# Altium PCB pcb.PcbDoc (part 2 of 4)
Units mm, origin at the board's own origin, x right, y up, seen from the top; angles counter-clockwise.
Board outline 92 x 92 mm, 4 copper layers (L1, L2, L3, L4), stack 1.534 mm thick; 214 components, 261 nets, 929 pads, 637 vias.
Unrouted connection lines stored in the file: 79.
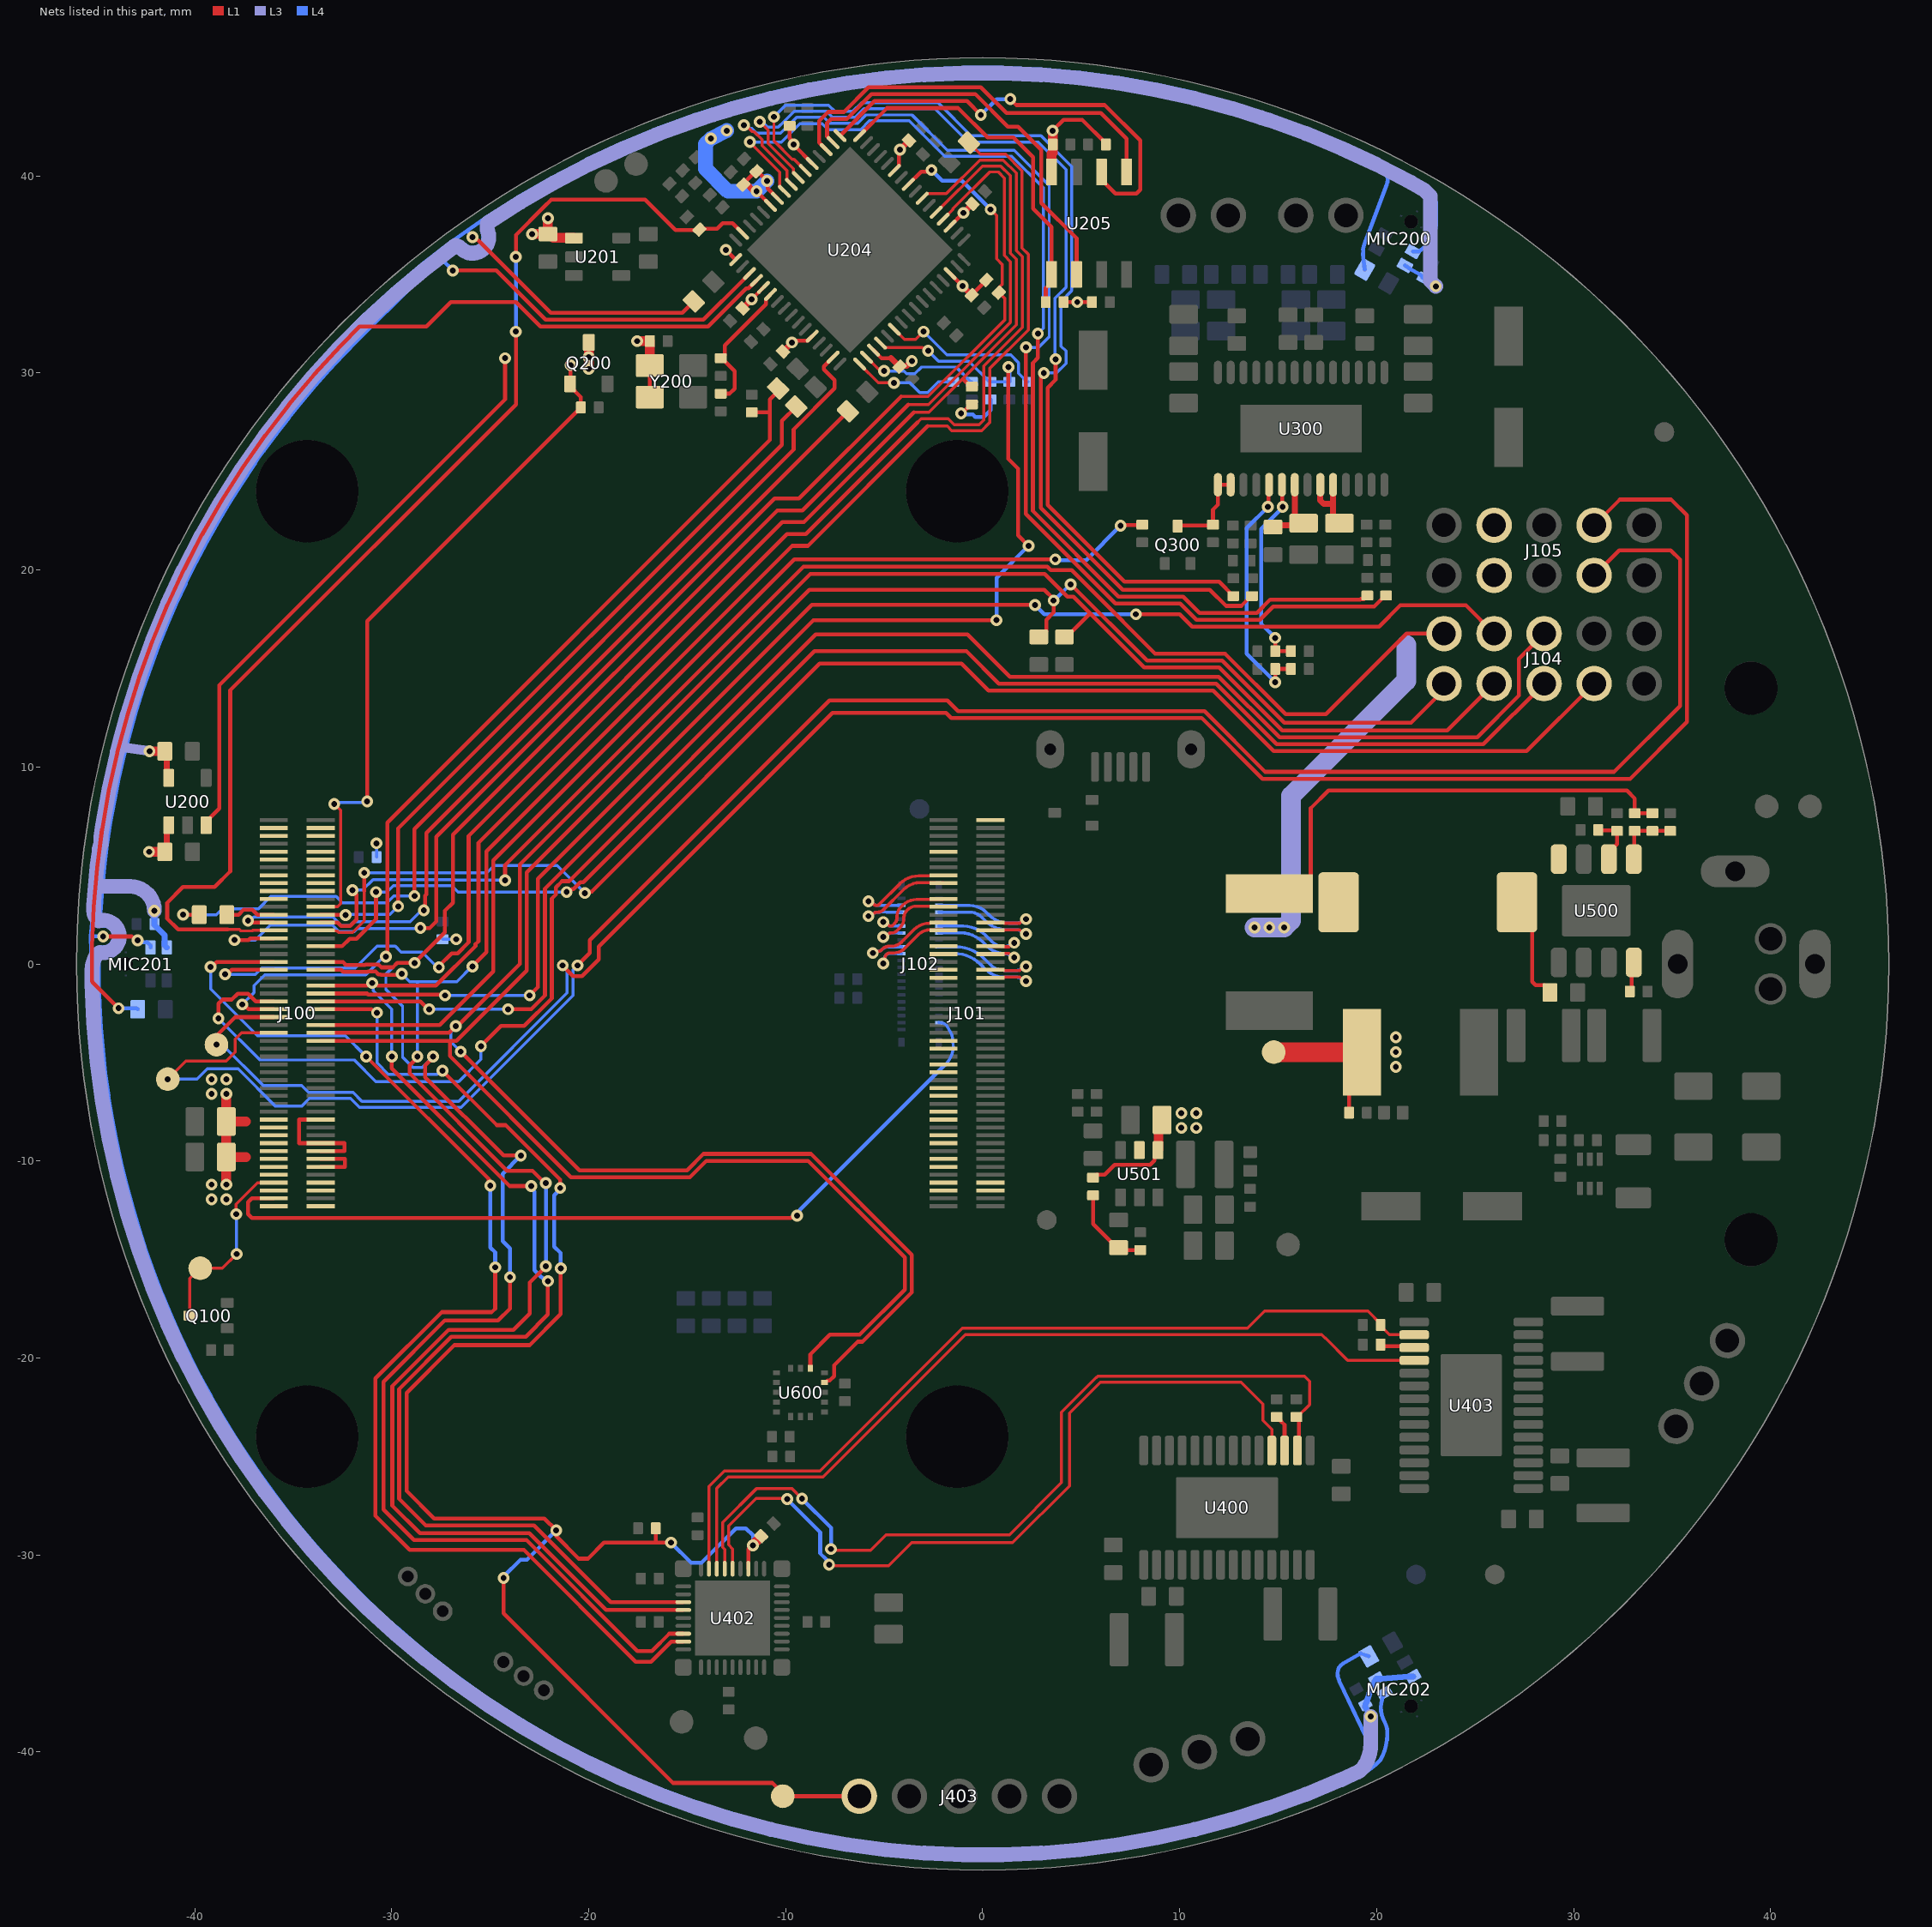
[diagram p4: the nets of this part, all layers, seen from the top]

## Via types
v1: diameter 0.6, hole 0.3, L1 to L4, tented both sides, 634 vias
v2: diameter 0.6/0.6/0.6/0.6 (per signal layer), hole 0.3, L1 to L4, tented both sides, 3 vias

## Nets (pads, with @x,y where several pads share a name; then routed paths per layer and width w, separated by ;. In a path a pad name is that pad's centre, name@x,y a point inside that pad or via, vN(x,y) a via of type N, cw(c..) or ccw(c..) an arc to the next point about the centre after c; other vN are vias at no path point) (continued)
"3.3V MIC": C204.2 C220.2 C221.2 C225.2 C228.2 C229.2 MIC200.5 MIC201.5 MIC202.2 MIC202.5 U200.5 U204.10 U204.11 | length 222.4
  L1 w0.2: C221.2@-12.157,39.557 C221.2@-12.121,39.592 ; C221.2@-12.076,39.688 -11.533,40.232 C220.2@-11.482,40.232 -11.459,40.255 v1(-10.954,39.75) -10.917,39.713 -10.917,39.36 U204.10@-10.423,38.866 ; v1(-11.484,39.22) -11.06,38.796 U204.11@-10.777,38.513
  L1 w0.3: C204.2@-41.523,10.794 -41.423,10.694 -41.423,9.544 U200.5@-41.323,9.444 ; C221.2@-12.121,39.592 -11.98,39.592 -11.665,39.277 -11.541,39.277 v1(-11.484,39.22)
  L1 w0.5: v1(-42.3,10.8) -42.297,10.797 -41.526,10.797 C204.2@-41.523,10.794 C204.2@-41.512,10.805
  L3 w0.5: -43.853,11.024 v1(-42.3,10.8)
  L3 w0.75: v1(-42.05,2.7) ccw(c-43.284,2.7) -43.284,3.934 -45.054,3.934 ; v1(19.7,-38.2) 19.7,-39.613 cw(c17.686,-39.613) 19.327,-40.78 cw(c18.716,-40.345) 19.031,-41.026 18.232,-41.399 cw(c17.916,-40.718) 18.205,-41.41 16.409,-42.154 cw(c16.123,-41.461) 16.38,-42.166 14.541,-42.835 12.658,-43.429 10.768,-43.935 10.752,-43.939 8.825,-44.367 6.881,-44.709 4.925,-44.967 2.959,-45.139 0.987,-45.225 -0.987,-45.225 -2.959,-45.139 -4.925,-44.967 -6.865,-44.711 -6.881,-44.709 -8.825,-44.367 -10.752,-43.939 -12.658,-43.429 -14.541,-42.835 -16.395,-42.16 -18.219,-41.405 -19.992,-40.578 -20.007,-40.571 -21.758,-39.659 -23.467,-38.673 -25.132,-37.612 -26.748,-36.48 -28.314,-35.279 -29.826,-34.01 -31.281,-32.677 -32.677,-31.281 -34.01,-29.826 -35.279,-28.314 -36.47,-26.761 -36.48,-26.748 -37.612,-25.132 -38.673,-23.467 -39.659,-21.758 -40.571,-20.007 -41.405,-18.219 -42.16,-16.395 -42.835,-14.541 -43.429,-12.658 -43.939,-10.752 -44.363,-8.841 -44.367,-8.825 -44.709,-6.881 -44.967,-4.925 -45.139,-2.959 -45.225,-0.987 -45.225,-0.326 cw(c-43.774,-0.326) -45.101,0.26 cw(c-44.416,-0.043) -44.824,0.586 ccw(c-44.656,1.394) -43.935,1.795 ccw(c-44.656,1.394) -44.881,2.187 cw(c-44.39,2.754) -45.139,2.718 -45.139,2.959 -45.054,3.934 ; v1(23,34.4) 22.945,34.455 22.725,34.675 22.725,38.979 22.436,39.268 21.758,39.659 21.743,39.667 20.007,40.571 18.219,41.405 16.41,42.154 16.395,42.16 14.541,42.835 14.14,42.961 12.658,43.429 10.752,43.939 8.825,44.367 6.882,44.709 6.865,44.711 4.925,44.967 2.959,45.139 1.005,45.224 ccw(c0.97,44.475) 1.001,45.224 0.987,45.225 -0.987,45.225 -2.959,45.139 -4.925,44.967 -6.865,44.711 -6.881,44.709 -7.588,44.585 -8.809,44.369 -8.825,44.367 -10.752,43.939 -12.658,43.429 -12.886,43.357 -13.7,43.1 -14.54,42.835 -14.556,42.83 -16.395,42.16 -18.219,41.405 -20.007,40.571 -21.758,39.659 -23.453,38.681 -23.467,38.673 -25.132,37.612 ccw(c-24.41,37.409) -25.12,37.168 cw(c-25.9,36.9) -26.478,36.311 ccw(c-27.001,35.774) -26.748,36.48 -28.314,35.279 -29.826,34.01 -31.281,32.677 -32.677,31.281 -34.01,29.826 -35.279,28.314 -36.48,26.748 -37.612,25.132 -38.673,23.467 -39.659,21.758 -39.667,21.743 -40.571,20.007 -41.398,18.233 -41.405,18.219 -42.16,16.395 -42.835,14.541 -43.424,12.674 -43.429,12.658 -43.793,11.298 -43.866,11.027 -43.935,10.768 -43.939,10.752 -44.367,8.825 -44.709,6.881 -44.769,6.429 -44.769,6.069 ccw(c-44.106,5.718) -44.849,5.818 -44.965,4.939 ccw(c-44.221,4.843) -44.968,4.91 -45.054,3.934
  L4 w0.2: MIC200.5@21.435,35.459 21.652,35.309 22.237,34.971 C225.2@22.375,34.81 22.527,34.673 v1(23,34.4)
  L4 w0.3: v1(-42.05,2.7) C228.2@-42.05,2.025 -42.05,1.975 -41.537,1.462 -41.537,0.948 MIC201.5@-41.426,0.837 ; v1(19.7,-38.2) 19.417,-37.71 C229.2@19.425,-37.59 19.505,-37.428 19.641,-37.003 19.674,-36.835 19.86,-36.497 MIC202.5@19.988,-36.294 20.228,-36.284 21.609,-36.179 MIC202.2@21.849,-36.169
  L4 w0.75: v1(-13,42.3) v1(-13.8,41.9) -14.077,41.623 -14.077,40.363 -12.934,39.22 v1(-11.484,39.22) v1(-10.954,39.75)
3.3V_DSP: C205.2 C208.2 C209.2 C210.2 C213.2 C214.2 C215.2 C216.2 C226.2 C230.2 Q200.3 R205.2 R206.2 R215.2 R218.2 R219.2 R220.2 U200.3 U201.1 U204.5 U204.17 U204.21 U204.28 U204.35 U204.46 U204.51 U204.59 U205.8 Y200.1 Y200.4 | length 62.8
  L1 w0.2: U200.3@-39.423,7.044 -39.423,7.219 -38.75,7.892 -38.75,14.15 -24.25,28.65 v1(-24.25,30.75) ; Y200.4@-17.027,30.374 -16.902,30.249 Y200.1@-16.902,28.774 ; v1(-13.04,36.25) U204.17@-12.545,35.755 ; v1(-11.732,33.74) -11.36,34.111 U204.21@-11.131,34.341 ; C210.2@-9.8,42.55 -9.8,41.908 -9.6,41.708 v1(-9.6,41.6) -9.6,41.578 U204.5@-8.656,40.634 ; v1(-9.681,31.548) -9.573,31.548 -9.484,31.636 -8.885,31.636 U204.28@-8.656,31.866 ; U204.35@-5.544,31.159 -5.136,30.75 -4.65,30.75 ; U204.59@-4.484,40.281 -4.254,40.51 -4.254,41.288 v1(-4.201,41.341) ; U204.46@-1.655,35.048 -1.425,34.818 v1(-1.019,34.412) ; U204.51@-1.655,37.452 v1(-0.984,38.124) ; v1(-1.1,27.95) -1.05,27.95 -0.6,28.4 R206.2@-0.55,28.4 ; C213.2@-0.559,33.952 -0.559,33.964 0.182,34.706 R205.2@0.182,34.718 ; v1(3.55,42.3) 4.1,42.85 5.05,42.85 6.25,41.65 R219.2@6.25,41.6 ; R218.2@4.1,33.6 v1(4.8,33.6) R220.2@5.55,33.6
  L1 w0.3: C215.2@-12.191,33.28 v1(-11.732,33.74) ; C216.2@-10.141,31.088 v1(-9.681,31.548) ; -4.65,30.75 C214.2@-4.218,30.318 -4.183,30.354 -3.866,30.354 -3.62,30.6 v1(-3.6,30.6) ; v1(-4.201,41.341) C208.2@-3.741,41.801 ; v1(-1.019,34.412) C213.2@-0.559,33.952 ; v1(-0.984,38.124) C209.2@-0.524,38.583
  L1 w0.5: v1(-22.875,37.05) C205.2@-22.075,37.05 ; v1(-22.075,37.85) C205.2@-22.075,37.05 ; U201.1@-20.75,36.846 -20.775,36.871 -21.796,36.871 -21.975,37.05 C205.2@-22.075,37.05 ; v1(-20,30.2) v1(-20,30.8) Q200.3@-20,31.55 ; v1(-17.549,31.616) C230.2@-16.899,31.616 -16.899,30.502 -16.965,30.436 Y200.4@-17.027,30.374 ; U205.8@3.495,40.2 3.495,41.125 3.55,41.18 C226.2@3.55,41.6 v1(3.55,42.3)
  L4 w0.2: v1(-1.1,27.95) -1.038,27.888 -0.5,27.888 -0.379,27.767 0.05,27.767 0.4,28.117 R215.2@0.4,28.65
3.3V_PG_OUT: U501.5
3V3_PG_IN: C500.2 R501.1 R505.1 | length 4.4
  L1 w0.2: R505.1@5.6,-11.75 5.6,-13.2 6.8,-14.4 R501.1@6.9,-14.4 7.025,-14.525 C500.2@8,-14.525
5V: C100.2 C101.2 C102.2 C103.2 C203.2 C506.1 C507.1 C508.2 C509.2 J100.77 J100.79 J100.81 J100.83 J100.85 J100.87 J105.3 J105.4 L502.2 R500.2 R503.2 R505.2 TP503.1 U200.1 U501.4 | length 66.9
  L1 w0.2: R505.2@5.6,-10.85 5.75,-10.7 6.2,-10.7 6.7,-10.2 8.5,-10.2 8.725,-9.975 8.725,-9.625 U501.4@8.9,-9.45 ; C507.1@14.55,3.575 15.775,3.575 16.65,4.45 16.65,7.9 17.55,8.8 32.7,8.8 33.1,8.4 R500.2@33.1,7.65 C508.2@34,7.65 ; R503.2@18.6,-7.55 18.6,-5.125 C506.1@19.25,-4.475
  L1 w0.3: C203.2@-41.523,5.694 -41.423,5.794 -41.423,6.944 U200.1@-41.198,7.169
  L1 w0.5: v1(-42.323,5.694) C203.2@-41.523,5.694 ; v1(-38.4,-11.2) v1(-38.4,-6.6) ; C102.2@-38.4,-9.8 -37.4,-9.8 ; C103.2@-38.4,-8 -37.4,-8 ; U501.4@8.9,-9.45 8.925,-9.425 8.925,-8.1 C509.2@9.1,-7.925
  L1 w1: TP503.1@14.775,-4.475 C506.1@19.25,-4.475
  L3 w1: v1(13.8,1.85) v1(14.55,1.85) v1(15.3,1.85) 15.65,2.2 15.65,8.526 21.5,14.376 21.5,16.2
  L4 w0.15: C101.2@-30.775,5.425 v1(-30.775,6.125) ; C100.2@-27.425,1.25 v1(-26.725,1.25)
  other v1: -39.15,-11.95 -38.4,-11.95 -39.15,-11.2 10.085,-8.324 10.835,-8.324 10.085,-7.574 10.835,-7.574 -39.15,-6.6 -39.15,-5.85 -38.4,-5.85 20.975,-5.225 20.975,-4.475 20.975,-3.725
5V_COMP: C501.2 R504.2 U500.6 | length 2.6
  L1 w0.2: C501.2@31.25,6.8 31.275,6.775 32.175,6.775 R504.2@32.2,6.75 32.2,6.09 31.785,5.675 U500.6@31.785,5.325
5V_FB: C508.1 R500.1 R502.2 U500.5 | length 3.2
  L1 w0.2: U500.5@33.055,5.325 33.078,5.347 33.078,6.728 R500.1@33.1,6.75 R502.2@34.9,6.75
5V_RT: R508.2 U500.4 | length 1.6
  L1 w0.2: R508.2@32.85,-1.4 32.952,-1.298 32.952,-0.028 U500.4@33.055,0.075
5V_SW: C505.2 L502.1 U500.8 | length 5.5
  L1 w0.2: L502.1@27.12,3.125 27.9,2.345 27.9,-0.9 28.075,-1.075 28.525,-1.075 28.8,-1.35 C505.2@28.8,-1.45
12V_AUDIO_AVCC: C307.2 R303.2 U300.7 | length 3.8
  L1 w0.3: R303.2@14.739,22.175 14.839,22.275 16.189,22.275 C307.2@16.289,22.375 16.164,22.375 15.839,22.7 U300.7@15.839,24.325
\AUDIO_AMP_SD: Q300.3 R300.1 U300.1 U300.2 | length 4.6
  L1 w0.2: Q300.3@9.9,22.225 9.938,22.262 11.651,22.262 R300.1@11.689,22.3 11.689,23.064 11.939,23.314 U300.1@11.939,24.325 U300.2@12.589,24.325
\AUDIO_MEM_CS: R218.1 U204.64 U205.1 | length 18.3
  L1 w0.2: U204.64@-6.251,42.048 -4.853,43.447 -1.247,43.447 0.25,41.95 1.55,41.95 2.55,40.95 2.55,38.35 3.495,37.405 U205.1@3.495,35 3.495,34.6 3.2,34.305 R218.1@3.2,33.6
\BT_DISABLE: J100.91
\EEPROM_WP: J100.20
\ETH0_LED1: J100.19
\ETH0_LED2: J100.17
\ETH0_LED3: J100.15
\EXTRST: J100.100
\G7/SPI0_CE1: J100.37 U402.17 | length 62.9
  L1 w0.2: v1(-39.198,-0.15) -39.134,-0.15 -38.884,0.1 J100.37@-35.99,0.1 ; v1(-31.3,-4.7) -25.077,-10.923 -25.077,-11.173 v1(-25,-11.25) ; v1(-24.75,-15.4) -24.75,-17.499 -24.926,-17.675 -27.456,-17.675 -30.825,-21.044 -30.825,-28.013 -29.088,-29.75 -23.293,-29.75 -17.618,-35.425 -16.841,-35.425 -15.816,-34.4 U402.17@-15.2,-34.4
  L4 w0.15: v1(-39.198,-0.15) -39.2,-0.152 -39.2,-1.278 -36.828,-3.65 -32.35,-3.65 v1(-31.3,-4.7)
  L4 w0.2: v1(-25,-11.25) -25,-14.392 -24.75,-14.642 v1(-24.75,-15.4)
\G8/SPI0_CE0: J100.39 R206.1 U204.53 | length 73.7
  L1 w0.15: -3.5,28 -2.728,28 -1.014,29.714 1.711,32.44 1.711,35.775 1.4,36.086 1.4,40.018 0.914,40.504 -0.017,40.504 U204.53@-2.362,38.159
  L1 w0.2: v1(-38.458,-0.517) -38.35,-0.517 -38.134,-0.3 J100.39@-35.99,-0.3 ; v1(-27.609,-0.172) -27.609,-0.109 -26.963,0.537 -26.66,0.537 -26.1,1.097 -26.1,6.503 -10.179,22.424 -9.076,22.424 -3.5,28 ; -0.983,29.71 -0.983,29.683 -0.6,29.3 R206.1@-0.55,29.3
  L4 w0.15: v1(-38.458,-0.517) -38.45,-0.525 -36.92,-0.525 -36.608,-0.213 -31.863,-0.213 -30.75,0.9 -29.822,0.9 -29.522,0.6 -28.462,0.6 -27.691,-0.172 v1(-27.609,-0.172)
\G16/DSP_RESET: J100.29 R202.2 U204.15 | length 61.9
  L1 w0.15: -38.325,1.75 -37.741,1.75 -37.666,1.675 -37.083,1.675 -37.058,1.7 J100.29@-35.99,1.7
  L1 w0.2: -38.325,1.75 -40.85,1.75 -41.4,2.3 -41.4,3.1 -40.6,3.9 -39,3.9 -38.2,4.7 -38.2,13.9 -23.7,28.4 v1(-23.7,32.1) ; v1(-23.7,35.9) -23.7,37.003 -22.303,38.4 -22.3,38.4 -21.9,38.8 -17.147,38.8 -15.594,37.246 -14.417,37.246 -14.346,37.317 -13.483,37.317 -13.2,37.6 -12.693,37.6 U204.15@-12.191,37.099
  L4 w0.2: v1(-23.7,32.1) v1(-23.7,35.9)
\G17/PIC_RST: C423.2 J100.50 J403.1 R406.1 TP402.1 U402.3 | length 90.4
  L1 w0.2: J100.50@-33.61,-2.3 -31.033,-2.3 -30.858,-2.475 v1(-30.75,-2.475) ; v1(-27.425,-5.425) -24.664,-8.186 -24.211,-8.186 -21.45,-10.947 v1(-21.45,-11.375) ; v1(-24.325,-31.175) -24.325,-32.975 -15.725,-41.575 -10.682,-41.575 -10.007,-42.25 -9.887,-42.25 J403.1@-6.265,-42.25 ; v1(-21.425,-15.45) -21.425,-17.775 -23,-19.35 -26.825,-19.35 -29.25,-21.775 -29.25,-26.75 -27.85,-28.15 -22.25,-28.15 v1(-21.65,-28.75) -21.675,-28.775 -21.675,-29.025 -20.511,-30.189 -20.039,-30.189 -19.225,-29.375 -16.6,-29.375 -16.525,-29.375 ; R406.1@-16.6,-28.65 -16.6,-29.3 -16.525,-29.375 ; v1(-15.828,-29.375) -16.525,-29.375 ; U402.3@-11.9,-30.7 -11.9,-29.7 -11.712,-29.512 v1(-11.663,-29.512)
  L1 w0.5: v1(-11.663,-29.512) -11.663,-29.488 -11.231,-29.055 C423.2@-11.243,-29.043
  L4 w0.15: v1(-30.75,-2.475) -30.75,-5.025 -30.175,-5.6 -27.708,-5.6 -27.533,-5.425 v1(-27.425,-5.425)
  L4 w0.2: v1(-24.325,-31.175) -24.325,-31.1 -23.463,-30.238 -23.138,-30.238 v1(-21.65,-28.75) ; v1(-21.45,-11.375) -21.45,-11.451 -21.75,-11.751 -21.75,-14.347 -21.425,-14.672 v1(-21.425,-15.45) ; v1(-15.828,-29.375) -14.803,-30.4 -14.278,-30.4 -12.528,-28.65 -12.025,-28.65 -11.663,-29.012 v1(-11.663,-29.512)
\G26/DSP_PWR: J100.24 Q200.1 R222.1 | length 34.9
  L1 w0.15: J100.24@-33.61,2.9 -32.75,2.9 -32.6,3.05 -32.6,7.8 v1(-32.925,8.125)
  L1 w0.2: v1(-31.25,8.25) -31.25,17.4 R222.1@-20.4,28.25 -20.4,28.775 -20.95,29.325 Q200.1@-20.95,29.45 -20.937,29.463 -20.937,30.388 v1(-20.925,30.4)
  L4 w0.15: v1(-32.925,8.125) -32.862,8.187 -31.313,8.187 v1(-31.25,8.25)
\MOT_A_FAULT: U400.18 U402.5 | length 41.1
  L1 w0.15: U402.5@-12.7,-30.7 -12.7,-29.692 -12.9,-29.492 -12.9,-28.525 -11.5,-27.125 -9.968,-27.125 v1(-9.926,-27.167) ; v1(-7.8,-30.5) -7.75,-30.55 -4.772,-30.55 -3.597,-29.375 1.519,-29.375 4.4,-26.494 4.4,-22.8 5.975,-21.225 13.113,-21.225 14.225,-22.337 14.225,-23.174 14.675,-23.624 U400.18@14.675,-24.7
  L4 w0.2: v1(-9.926,-27.167) -9.926,-27.177 -8.25,-28.854 -8.25,-29.928 -7.963,-30.215 -7.963,-30.229 -7.8,-30.392 v1(-7.8,-30.5)
\MOT_A_RESET: R412.2 U400.16 U402.6 | length 44.5
  L1 w0.15: U402.6@-13.1,-30.7 -13.1,-29.717 -13.2,-29.617 -13.2,-28.35 -11.492,-26.642 -9.684,-26.642 v1(-9.177,-27.149) ; v1(-7.7,-29.7) -7.625,-29.775 -5.7,-29.775 -4.9,-28.975 1.353,-28.975 4,-26.328 4,-22.75 5.75,-21 5.776,-21 5.851,-20.925 16.329,-20.925 16.6,-21.196 16.6,-22.375 15.975,-23 R412.2@15.925,-23
  L1 w0.2: U400.16@15.975,-24.7 16.05,-24.625 R412.2@16.05,-23.075
  L4 w0.2: v1(-9.177,-27.149) -7.7,-28.626 v1(-7.7,-29.7)
\MOT_A_SLEEP: R410.1 U400.17 | length 1.9
  L1 w0.2: R410.1@14.925,-23 14.975,-23 15.125,-23.15 15.125,-23.2 15.325,-23.4 U400.17@15.325,-24.7
\MOT_B_FAULT: U402.7 U403.18 | length 43.2
  L1 w0.15: U402.7@-13.5,-30.7 -13.5,-26.622 -12.92,-26.042 -8.107,-26.042 -0.89,-18.825 17.199,-18.825 17.374,-19 17.4,-19 18.525,-20.125 U403.18@21.9,-20.125
\MOT_B_RESET: R413.2 U402.8 U403.16 | length 44.2
  L1 w0.15: U402.8@-13.9,-30.7 -13.9,-26.527 -13.115,-25.742 -8.267,-25.742 -1.025,-18.5 13.433,-18.5 14.308,-17.625 19.55,-17.625 20.2,-18.275 R413.2@20.2,-18.325 20.2,-18.375 20.65,-18.825 U403.16@21.9,-18.825
\MOT_B_SLEEP: R411.1 U403.17 | length 1.8
  L1 w0.2: R411.1@20.2,-19.325 20.275,-19.4 21.825,-19.4 U403.17@21.9,-19.475
\PCIE_CLK_REQ: J101.2
\PCIE_RST: J101.9
\PI_LED_ACTIVITY: J100.21
\PI_LED_PWR: J100.95
\RPIBOOT: J100.93 Q100.3 TP102.1 | length 9.7
  L1 w0.15: Q100.3@-40.25,-17.85 -40.25,-15.975 TP102.1@-39.725,-15.45 -38.6,-15.45 v1(-37.875,-14.725) ; v1(-37.9,-12.7) -37.9,-12.2 -36.812,-11.112 -36.002,-11.112 J100.93@-35.99,-11.1
  L4 w0.15: v1(-37.9,-12.7) -37.887,-12.713 -37.887,-14.713 v1(-37.875,-14.725)
\WL_DISABLE: J100.89
AMP_GAIN_0: R302.1 R306.2 U300.5 | length 12.6
  L1 w0.2: v1(14.475,23.2) 14.507,23.232 14.507,24.293 U300.5@14.539,24.325 ; v1(14.85,14.3) R302.1@14.85,14.975 R306.2@15.65,14.975
  L4 w0.2: v1(14.475,23.2) 13.4,22.125 13.4,15.75 v1(14.85,14.3)
AMP_GAIN_1: R304.1 R307.2 U300.6 | length 10
  L1 w0.2: v1(14.85,16.55) R304.1@14.85,15.875 R307.2@15.65,15.875 ; U300.6@15.189,24.325 15.207,24.307 15.207,23.218 v1(15.225,23.2)
  L4 w0.2: v1(14.85,16.55) 14.139,17.261 14.139,22.086 15.225,23.172 v1(15.225,23.2)
ANALOG_IP0: J100.96
ANALOG_IP1: J100.94
AUDIO_AMP_GVDD: C309.2 U300.9 U300.10 | length 3.8
  L1 w0.3: U300.9@17.139,24.325 17.139,23.539 17.315,23.363 17.789,23.363 ; U300.10@17.789,24.325 17.789,23.363 ; C309.2@18.113,22.375 18.089,22.399 17.789,22.399 17.789,23.363
AUDIO_AMP_LN: R310.1 U204.6 | length 52
  L1 w0.15: v1(-10.6,43) -10.6,41.783 -9.667,40.85 -9.579,40.85 U204.6@-9.009,40.281
  L1 w0.2: v1(3.1,30) 2.95,29.85 2.95,23.157 7.107,19 11.526,19 12.351,18.175 13.125,18.175 13.625,18.675 R310.1@13.675,18.675
  L4 w0.15: v1(-10.6,43) -10.013,43.587 -7.816,43.587 -7.505,43.275 -6.599,43.275 -6.152,43.722 -2.264,43.722 -0.592,42.05 2.96,42.05 4.525,40.485 4.525,34.175 3.975,33.625 3.975,31.362 4.225,31.113 4.225,30.483 3.743,30 v1(3.1,30)
AUDIO_AMP_LP: R308.1 U204.7 | length 50
  L1 w0.15: v1(-11.325,42.75) -10.9,42.325 -10.9,41.658 -9.602,40.36 -9.602,40.166 U204.7@-9.363,39.927
  L1 w0.2: v1(3.7,30.7) 3.7,29.65 3.3,29.25 3.3,23.301 5.714,20.888 7.201,19.4 12,19.4 R308.1@12.725,18.675
  L4 w0.15: v1(-11.325,42.75) -11.203,42.75 -10.928,42.475 -10.383,42.475 -10.075,42.783 -9.571,43.287 -7.941,43.287 -7.629,42.975 -6.475,42.975 -6.028,43.422 -2.422,43.422 -0.725,41.725 2.825,41.725 4.225,40.325 4.225,34.35 3.675,33.8 3.675,30.725 v1(3.7,30.7)
AUDIO_AMP_RN: R309.1 U204.9 | length 56.3
  L1 w0.15: v1(-11.825,41.725) -10.3,40.2 -10.3,39.45 U204.9@-10.07,39.22
  L1 w0.2: v1(2.8,32) 2.8,30.76 2.546,30.506 2.546,22.989 6.885,18.65 10.175,18.65 11,17.825 13.925,17.825 14.6,18.5 19.168,18.5 19.193,18.525 19.35,18.525 R309.1@19.525,18.7
  L4 w0.15: v1(-11.825,41.725) -10.217,41.725 -9.292,42.65 -8.153,42.65 -7.853,42.35 -6.2,42.35 -5.75,42.8 -3.725,42.8 -1.925,41 1.475,41 3.075,39.4 3.075,32.275 v1(2.8,32)
AUDIO_AMP_RP: R311.1 U204.8 | length 60.5
  L1 w0.15: v1(-12.125,42.575) -12.033,42.575 -11.708,42.25 -11.608,42.25 -11.2,41.842 -11.2,41.534 -9.946,40.28 -9.946,39.826 -9.716,39.596 U204.8@-9.716,39.573
  L1 w0.2: v1(2.2,31.3) 2.196,31.296 2.196,22.844 6.74,18.3 10.03,18.3 10.855,17.475 14.07,17.475 14.745,18.15 19.875,18.15 20.425,18.7 R311.1@20.475,18.7
  L4 w0.15: v1(-12.125,42.575) -12.003,42.575 -11.853,42.425 -11.742,42.425 -11.492,42.175 -10.258,42.175 -9.447,42.987 -8.065,42.987 -7.753,42.675 -6.351,42.675 -5.926,43.1 -3.591,43.1 -1.791,41.3 1.599,41.3 3.375,39.524 3.375,31.832 2.843,31.3 v1(2.2,31.3)
AUDIO_CLK_12MHz: R211.2 R221.2 U204.22 | length 6.9
  L1 w0.2: R221.2@-13.3,28.95 -12.85,28.95 -12.6,29.2 -12.6,30.1 R211.2@-13.25,30.75 ; R211.2@-13.3,30.75 R211.2@-13.25,30.75 ; U204.22@-10.777,33.987 -11.007,33.757 -11.007,33.493 -13.1,31.4 -13.1,30.9 R211.2@-13.25,30.75